# KiCad board backplane.20-slot.kicad_pcb (continued)
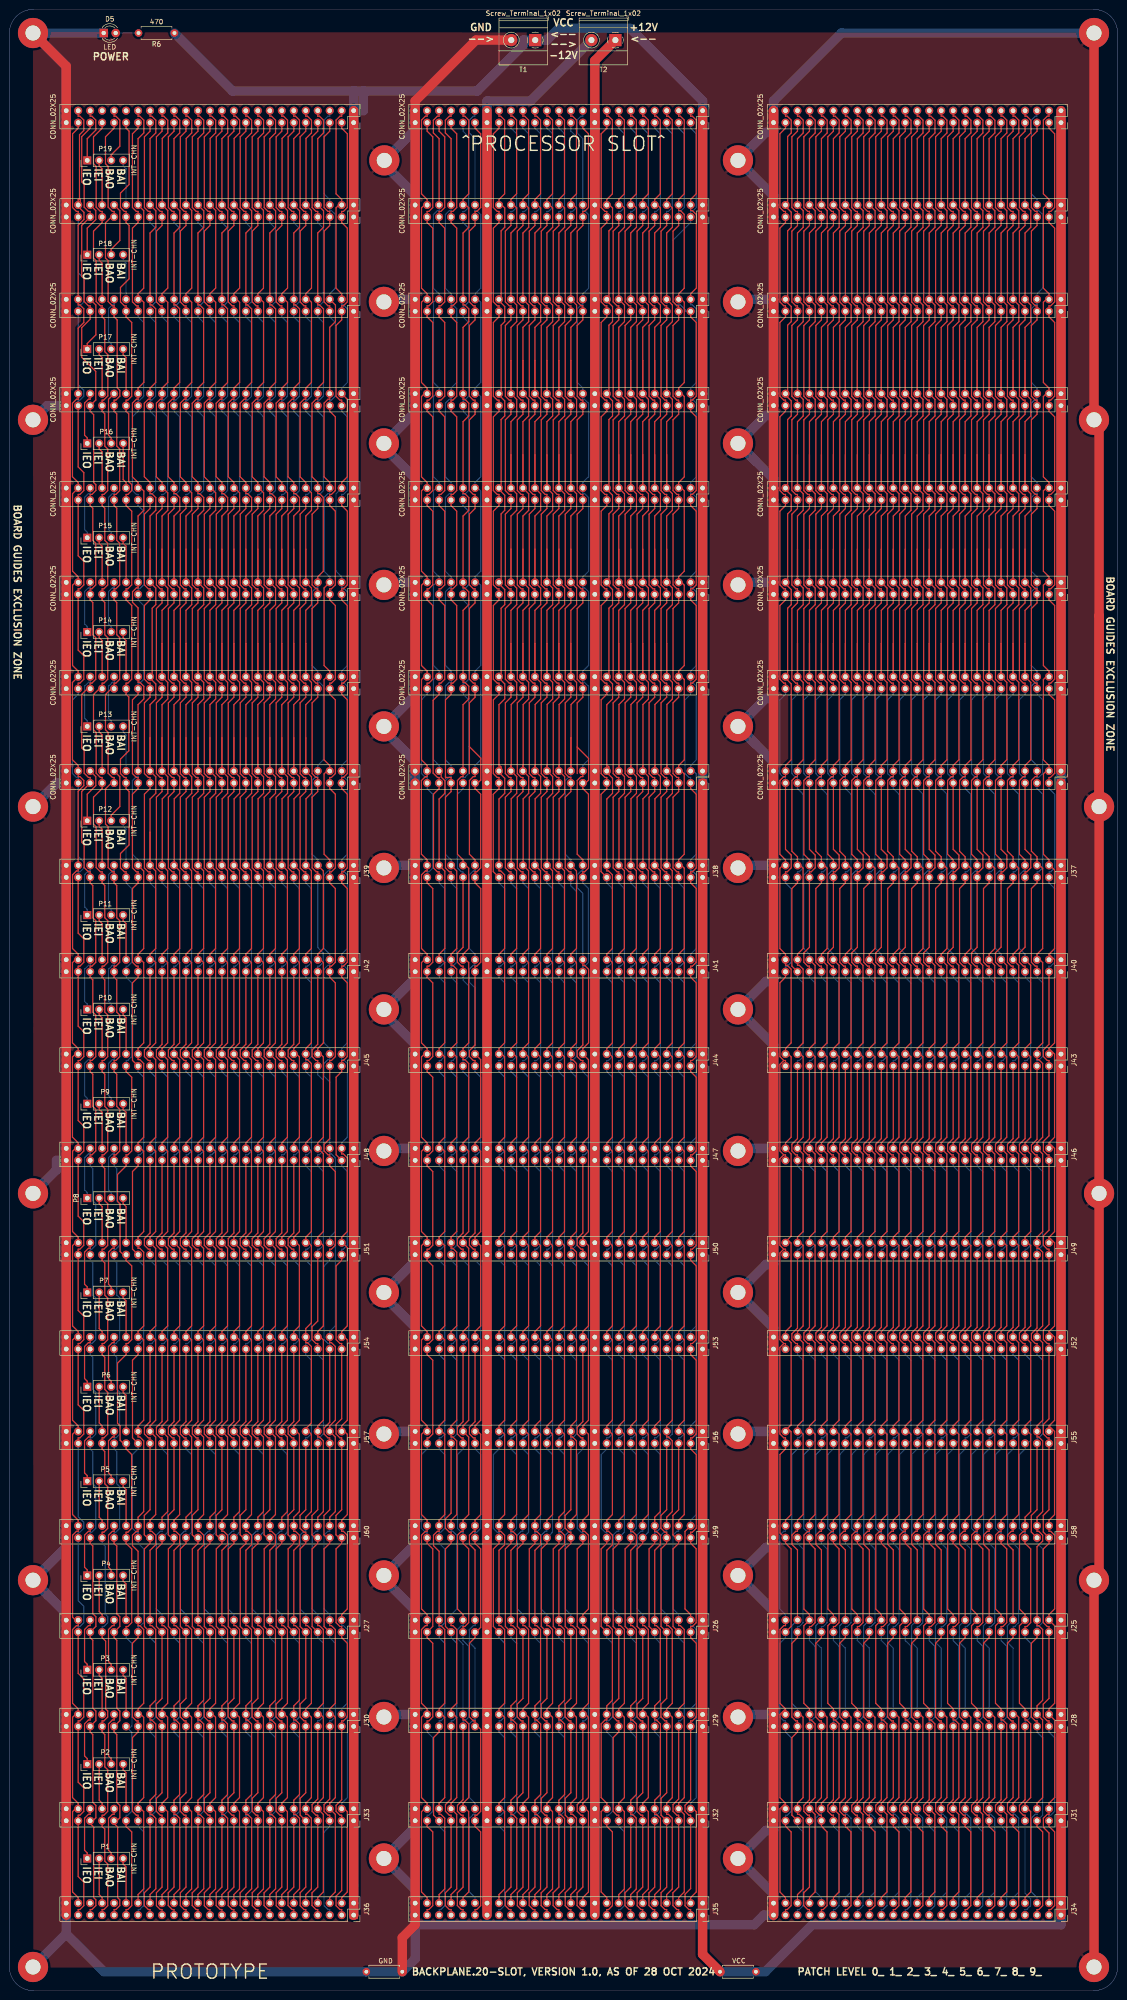
[diagram p0: board, top side]
## Nets (continued)
/D23: J3.20 J6.20 J9.20 J12.20 J15.20 J18.20 J21.20 J24.20 J25.20 J28.20 J31.20 J34.20 J37.20 J40.20 J43.20 J46.20 J49.20 J52.20 J55.20 J58.20
/D24: J3.18 J6.18 J9.18 J12.18 J15.18 J18.18 J21.18 J24.18 J25.18 J28.18 J31.18 J34.18 J37.18 J40.18 J43.18 J46.18 J49.18 J52.18 J55.18 J58.18
/D25: J3.16 J6.16 J9.16 J12.16 J15.16 J18.16 J21.16 J24.16 J25.16 J28.16 J31.16 J34.16 J37.16 J40.16 J43.16 J46.16 J49.16 J52.16 J55.16 J58.16
/D26: J3.14 J6.14 J9.14 J12.14 J15.14 J18.14 J21.14 J24.14 J25.14 J28.14 J31.14 J34.14 J37.14 J40.14 J43.14 J46.14 J49.14 J52.14 J55.14 J58.14
/D27: J3.12 J6.12 J9.12 J12.12 J15.12 J18.12 J21.12 J24.12 J25.12 J28.12 J31.12 J34.12 J37.12 J40.12 J43.12 J46.12 J49.12 J52.12 J55.12 J58.12
/D28: J3.10 J6.10 J9.10 J12.10 J15.10 J18.10 J21.10 J24.10 J25.10 J28.10 J31.10 J34.10 J37.10 J40.10 J43.10 J46.10 J49.10 J52.10 J55.10 J58.10
/D29: J3.8 J6.8 J9.8 J12.8 J15.8 J18.8 J21.8 J24.8 J25.8 J28.8 J31.8 J34.8 J37.8 J40.8 J43.8 J46.8 J49.8 J52.8 J55.8 J58.8
/D30: J3.6 J6.6 J9.6 J12.6 J15.6 J18.6 J21.6 J24.6 J25.6 J28.6 J31.6 J34.6 J37.6 J40.6 J43.6 J46.6 J49.6 J52.6 J55.6 J58.6
/D31: J3.4 J6.4 J9.4 J12.4 J15.4 J18.4 J21.4 J24.4 J25.4 J28.4 J31.4 J34.4 J37.4 J40.4 J43.4 J46.4 J49.4 J52.4 J55.4 J58.4
/E: J1.4 J4.4 J7.4 J10.4 J13.4 J16.4 J19.4 J22.4 J27.4 J30.4 J33.4 J36.4 J39.4 J42.4 J45.4 J48.4 J51.4 J54.4 J57.4 J60.4
/I2C_SCL: J1.47 J4.47 J7.47 J10.47 J13.47 J16.47 J19.47 J22.47 J27.47 J30.47 J33.47 J36.47 J39.47 J42.47 J45.47 J48.47 J51.47 J54.47 J57.47 J60.47
/I2C_SDA: J1.48 J4.48 J7.48 J10.48 J13.48 J16.48 J19.48 J22.48 J27.48 J30.48 J33.48 J36.48 J39.48 J42.48 J45.48 J48.48 J51.48 J54.48 J57.48 J60.48
/IC0: J2.45 J5.45 J8.45 J11.45 J14.45 J17.45 J20.45 J23.45 J26.45 J29.45 J32.45 J35.45 J38.45 J41.45 J44.45 J47.45 J50.45 J53.45 J56.45 J59.45
/IC1: J2.43 J5.43 J8.43 J11.43 J14.43 J17.43 J20.43 J23.43 J26.43 J29.43 J32.43 J35.43 J38.43 J41.43 J44.43 J47.43 J50.43 J53.43 J56.43 J59.43
/IC2: J2.41 J5.41 J8.41 J11.41 J14.41 J17.41 J20.41 J23.41 J26.41 J29.41 J32.41 J35.41 J38.41 J41.41 J44.41 J47.41 J50.41 J53.41 J56.41 J59.41
/IC3: J2.39 J5.39 J8.39 J11.39 J14.39 J17.39 J20.39 J23.39 J26.39 J29.39 J32.39 J35.39 J38.39 J41.39 J44.39 J47.39 J50.39 J53.39 J56.39 J59.39
/IPL0: J3.47 J6.47 J9.47 J12.47 J15.47 J18.47 J21.47 J24.47 J25.47 J28.47 J31.47 J34.47 J37.47 J40.47 J43.47 J46.47 J49.47 J52.47 J55.47 J58.47
/IPL1: J3.45 J6.45 J9.45 J12.45 J15.45 J18.45 J21.45 J24.45 J25.45 J28.45 J31.45 J34.45 J37.45 J40.45 J43.45 J46.45 J49.45 J52.45 J55.45 J58.45
/IPL2: J3.43 J6.43 J9.43 J12.43 J15.43 J18.43 J21.43 J24.43 J25.43 J28.43 J31.43 J34.43 J37.43 J40.43 J43.43 J46.43 J49.43 J52.43 J55.43 J58.43
/LDS: J3.38 J6.38 J9.38 J12.38 J15.38 J18.38 J21.38 J24.38 J25.38 J28.38 J31.38 J34.38 J37.38 J40.38 J43.38 J46.38 J49.38 J52.38 J55.38 J58.38
/PHI: J1.8 J4.8 J7.8 J10.8 J13.8 J16.8 J19.8 J22.8 J27.8 J30.8 J33.8 J36.8 J39.8 J42.8 J45.8 J48.8 J51.8 J54.8 J57.8 J60.8
/S0: J3.44 J6.44 J9.44 J12.44 J15.44 J18.44 J21.44 J24.44 J25.44 J28.44 J31.44 J34.44 J37.44 J40.44 J43.44 J46.44 J49.44 J52.44 J55.44 J58.44
/S1: J3.42 J6.42 J9.42 J12.42 J15.42 J18.42 J21.42 J24.42 J25.42 J28.42 J31.42 J34.42 J37.42 J40.42 J43.42 J46.42 J49.42 J52.42 J55.42 J58.42
/S2: J3.40 J6.40 J9.40 J12.40 J15.40 J18.40 J21.40 J24.40 J25.40 J28.40 J31.40 J34.40 J37.40 J40.40 J43.40 J46.40 J49.40 J52.40 J55.40 J58.40
/ST: J1.6 J4.6 J7.6 J10.6 J13.6 J16.6 J19.6 J22.6 J27.6 J30.6 J33.6 J36.6 J39.6 J42.6 J45.6 J48.6 J51.6 J54.6 J57.6 J60.6
/UDS: J3.36 J6.36 J9.36 J12.36 J15.36 J18.36 J21.36 J24.36 J25.36 J28.36 J31.36 J34.36 J37.36 J40.36 J43.36 J46.36 J49.36 J52.36 J55.36 J58.36
/USER0: J1.38 J4.38 J7.38 J10.38 J13.38 J16.38 J19.38 J22.38 J27.38 J30.38 J33.38 J36.38 J39.38 J42.38 J45.38 J48.38 J51.38 J54.38 J57.38 J60.38
/USER1: J1.36 J4.36 J7.36 J10.36 J13.36 J16.36 J19.36 J22.36 J27.36 J30.36 J33.36 J36.36 J39.36 J42.36 J45.36 J48.36 J51.36 J54.36 J57.36 J60.36
/USER2: J1.34 J4.34 J7.34 J10.34 J13.34 J16.34 J19.34 J22.34 J27.34 J30.34 J33.34 J36.34 J39.34 J42.34 J45.34 J48.34 J51.34 J54.34 J57.34 J60.34
/USER3: J1.32 J4.32 J7.32 J10.32 J13.32 J16.32 J19.32 J22.32 J27.32 J30.32 J33.32 J36.32 J39.32 J42.32 J45.32 J48.32 J51.32 J54.32 J57.32 J60.32
/USER4: J1.30 J4.30 J7.30 J10.30 J13.30 J16.30 J19.30 J22.30 J27.30 J30.30 J33.30 J36.30 J39.30 J42.30 J45.30 J48.30 J51.30 J54.30 J57.30 J60.30
/USER5: J1.28 J4.28 J7.28 J10.28 J13.28 J16.28 J19.28 J22.28 J27.28 J30.28 J33.28 J36.28 J39.28 J42.28 J45.28 J48.28 J51.28 J54.28 J57.28 J60.28
/USER6: J1.26 J4.26 J7.26 J10.26 J13.26 J16.26 J19.26 J22.26 J27.26 J30.26 J33.26 J36.26 J39.26 J42.26 J45.26 J48.26 J51.26 J54.26 J57.26 J60.26
/USER7: J1.24 J4.24 J7.24 J10.24 J13.24 J16.24 J19.24 J22.24 J27.24 J30.24 J33.24 J36.24 J39.24 J42.24 J45.24 J48.24 J51.24 J54.24 J57.24 J60.24
/USER8: J1.22 J4.22 J7.22 J10.22 J13.22 J16.22 J19.22 J22.22 J27.22 J30.22 J33.22 J36.22 J39.22 J42.22 J45.22 J48.22 J51.22 J54.22 J57.22 J60.22
/~{BAI-1}: J36.40 P1.4
/~{BAI-2}: J33.40 P2.4
/~{BAI-3}: J30.40 P3.4
/~{BAI-4}: J27.40 P4.4
/~{BAI-5}: J60.40 P5.4
/~{BAI-6}: J57.40 P6.4
/~{BAI-7}: J54.40 P7.4
/~{BAI-8}: J51.40 P8.4
/~{BAI-9}: J48.40 P9.4
/~{BAI-10}: J45.40 P10.4
/~{BAI-11}: J42.40 P11.4
/~{BAI-12}: J39.40 P12.4
/~{BAI-13}: J1.40 P13.4
/~{BAI-14}: J4.40 P14.4
/~{BAI-15}: J7.40 P15.4
/~{BAI-16}: J10.40 P16.4
/~{BAI-17}: J13.40 P17.4
/~{BAI-18}: J16.40 P18.4
/~{BAI-19}: J19.40 P19.4
/~{BAI-20}: J22.40
/~{BAO-1}: J36.42
/~{BAO-2}: J33.42 P1.3
/~{BAO-3}: J30.42 P2.3
/~{BAO-4}: J27.42 P3.3
/~{BAO-5}: J60.42 P4.3
/~{BAO-6}: J57.42 P5.3
/~{BAO-7}: J54.42 P6.3
/~{BAO-8}: J51.42 P7.3
/~{BAO-9}: J48.42 P8.3
/~{BAO-10}: J45.42 P9.3
/~{BAO-11}: J42.42 P10.3
/~{BAO-12}: J39.42 P11.3
/~{BAO-13}: J1.42 P12.3
/~{BAO-14}: J4.42 P13.3
/~{BAO-15}: J7.42 P14.3
/~{BAO-16}: J10.42 P15.3
/~{BAO-17}: J13.42 P16.3
/~{BAO-18}: J16.42 P17.3
/~{BAO-19}: J19.42 P18.3
/~{BAO-20}: J22.42 P19.3
/~{BHE}: J3.41 J6.41 J9.41 J12.41 J15.41 J18.41 J21.41 J24.41 J25.41 J28.41 J31.41 J34.41 J37.41 J40.41 J43.41 J46.41 J49.41 J52.41 J55.41 J58.41
/~{BUSACK}: J1.13 J4.13 J7.13 J10.13 J13.13 J16.13 J19.13 J22.13 J27.13 J30.13 J33.13 J36.13 J39.13 J42.13 J45.13 J48.13 J51.13 J54.13 J57.13 J60.13
/~{BUSERR}: J3.35 J6.35 J9.35 J12.35 J15.35 J18.35 J21.35 J24.35 J25.35 J28.35 J31.35 J34.35 J37.35 J40.35 J43.35 J46.35 J49.35 J52.35 J55.35 J58.35
/~{BUSRQ}: J1.23 J4.23 J7.23 J10.23 J13.23 J16.23 J19.23 J22.23 J27.23 J30.23 J33.23 J36.23 J39.23 J42.23 J45.23 J48.23 J51.23 J54.23 J57.23 J60.23
/~{DREQ0}: J2.46 J5.46 J8.46 J11.46 J14.46 J17.46 J20.46 J23.46 J26.46 J29.46 J32.46 J35.46 J38.46 J41.46 J44.46 J47.46 J50.46 J53.46 J56.46 J59.46
/~{DREQ1}: J2.42 J5.42 J8.42 J11.42 J14.42 J17.42 J20.42 J23.42 J26.42 J29.42 J32.42 J35.42 J38.42 J41.42 J44.42 J47.42 J50.42 J53.42 J56.42 J59.42
/~{EIRQ0}: J1.45 J4.45 J7.45 J10.45 J13.45 J16.45 J19.45 J22.45 J27.45 J30.45 J33.45 J36.45 J39.45 J42.45 J45.45 J48.45 J51.45 J54.45 J57.45 J60.45
/~{EIRQ1}: J1.43 J4.43 J7.43 J10.43 J13.43 J16.43 J19.43 J22.43 J27.43 J30.43 J33.43 J36.43 J39.43 J42.43 J45.43 J48.43 J51.43 J54.43 J57.43 J60.43
/~{EIRQ2}: J1.41 J4.41 J7.41 J10.41 J13.41 J16.41 J19.41 J22.41 J27.41 J30.41 J33.41 J36.41 J39.41 J42.41 J45.41 J48.41 J51.41 J54.41 J57.41 J60.41
/~{EIRQ3}: J1.39 J4.39 J7.39 J10.39 J13.39 J16.39 J19.39 J22.39 J27.39 J30.39 J33.39 J36.39 J39.39 J42.39 J45.39 J48.39 J51.39 J54.39 J57.39 J60.39
/~{EIRQ4}: J1.37 J4.37 J7.37 J10.37 J13.37 J16.37 J19.37 J22.37 J27.37 J30.37 J33.37 J36.37 J39.37 J42.37 J45.37 J48.37 J51.37 J54.37 J57.37 J60.37
/~{EIRQ5}: J1.35 J4.35 J7.35 J10.35 J13.35 J16.35 J19.35 J22.35 J27.35 J30.35 J33.35 J36.35 J39.35 J42.35 J45.35 J48.35 J51.35 J54.35 J57.35 J60.35
/~{EIRQ6}: J1.33 J4.33 J7.33 J10.33 J13.33 J16.33 J19.33 J22.33 J27.33 J30.33 J33.33 J36.33 J39.33 J42.33 J45.33 J48.33 J51.33 J54.33 J57.33 J60.33
/~{EIRQ7}: J1.31 J4.31 J7.31 J10.31 J13.31 J16.31 J19.31 J22.31 J27.31 J30.31 J33.31 J36.31 J39.31 J42.31 J45.31 J48.31 J51.31 J54.31 J57.31 J60.31
/~{HALT}: J1.27 J4.27 J7.27 J10.27 J13.27 J16.27 J19.27 J22.27 J27.27 J30.27 J33.27 J36.27 J39.27 J42.27 J45.27 J48.27 J51.27 J54.27 J57.27 J60.27
/~{IEI-1}: J36.44 P1.2
/~{IEI-2}: J33.44 P2.2
/~{IEI-3}: J30.44 P3.2
/~{IEI-4}: J27.44 P4.2
/~{IEI-5}: J60.44 P5.2
/~{IEI-6}: J57.44 P6.2
/~{IEI-7}: J54.44 P7.2
/~{IEI-8}: J51.44 P8.2
/~{IEI-9}: J48.44 P9.2
/~{IEI-10}: J45.44 P10.2
/~{IEI-11}: J42.44 P11.2
/~{IEI-12}: J39.44 P12.2
/~{IEI-13}: J1.44 P13.2
/~{IEI-14}: J4.44 P14.2
/~{IEI-15}: J7.44 P15.2
/~{IEI-16}: J10.44 P16.2
/~{IEI-17}: J13.44 P17.2
/~{IEI-18}: J16.44 P18.2
/~{IEI-19}: J19.44 P19.2
/~{IEI-20}: J22.44
/~{IEO-1}: J36.46
/~{IEO-2}: J33.46 P1.1
/~{IEO-3}: J30.46 P2.1
/~{IEO-4}: J27.46 P3.1
/~{IEO-5}: J60.46 P4.1
/~{IEO-6}: J57.46 P5.1
/~{IEO-7}: J54.46 P6.1
/~{IEO-8}: J51.46 P7.1
/~{IEO-9}: J48.46 P8.1
/~{IEO-10}: J45.46 P9.1
/~{IEO-11}: J42.46 P10.1
/~{IEO-12}: J39.46 P11.1
/~{IEO-13}: J1.46 P12.1
/~{IEO-14}: J4.46 P13.1
/~{IEO-15}: J7.46 P14.1
/~{IEO-16}: J10.46 P15.1
/~{IEO-17}: J13.46 P16.1
/~{IEO-18}: J16.46 P17.1
/~{IEO-19}: J19.46 P18.1
/~{IEO-20}: J22.46 P19.1
/~{INT0}: J1.17 J4.17 J7.17 J10.17 J13.17 J16.17 J19.17 J22.17 J27.17 J30.17 J33.17 J36.17 J39.17 J42.17 J45.17 J48.17 J51.17 J54.17 J57.17 J60.17
/~{INT1}: J1.12 J4.12 J7.12 J10.12 J13.12 J16.12 J19.12 J22.12 J27.12 J30.12 J33.12 J36.12 J39.12 J42.12 J45.12 J48.12 J51.12 J54.12 J57.12 J60.12
/~{INT2}: J1.10 J4.10 J7.10 J10.10 J13.10 J16.10 J19.10 J22.10 J27.10 J30.10 J33.10 J36.10 J39.10 J42.10 J45.10 J48.10 J51.10 J54.10 J57.10 J60.10
/~{IORQ}: J1.7 J4.7 J7.7 J10.7 J13.7 J16.7 J19.7 J22.7 J27.7 J30.7 J33.7 J36.7 J39.7 J42.7 J45.7 J48.7 J51.7 J54.7 J57.7 J60.7
/~{M1}: J1.11 J4.11 J7.11 J10.11 J13.11 J16.11 J19.11 J22.11 J27.11 J30.11 J33.11 J36.11 J39.11 J42.11 J45.11 J48.11 J51.11 J54.11 J57.11 J60.11
/~{MREQ}: J1.9 J4.9 J7.9 J10.9 J13.9 J16.9 J19.9 J22.9 J27.9 J30.9 J33.9 J36.9 J39.9 J42.9 J45.9 J48.9 J51.9 J54.9 J57.9 J60.9
/~{NMI}: J1.19 J4.19 J7.19 J10.19 J13.19 J16.19 J19.19 J22.19 J27.19 J30.19 J33.19 J36.19 J39.19 J42.19 J45.19 J48.19 J51.19 J54.19 J57.19 J60.19
/~{RD}: J1.3 J4.3 J7.3 J10.3 J13.3 J16.3 J19.3 J22.3 J27.3 J30.3 J33.3 J36.3 J39.3 J42.3 J45.3 J48.3 J51.3 J54.3 J57.3 J60.3
/~{RES_IN}: J1.20 J4.20 J7.20 J10.20 J13.20 J16.20 J19.20 J22.20 J27.20 J30.20 J33.20 J36.20 J39.20 J42.20 J45.20 J48.20 J51.20 J54.20 J57.20 J60.20
/~{RES_OUT}: J1.21 J4.21 J7.21 J10.21 J13.21 J16.21 J19.21 J22.21 J27.21 J30.21 J33.21 J36.21 J39.21 J42.21 J45.21 J48.21 J51.21 J54.21 J57.21 J60.21
/~{RFSH}: J1.29 J4.29 J7.29 J10.29 J13.29 J16.29 J19.29 J22.29 J27.29 J30.29 J33.29 J36.29 J39.29 J42.29 J45.29 J48.29 J51.29 J54.29 J57.29 J60.29
/~{TEND0}: J2.44 J5.44 J8.44 J11.44 J14.44 J17.44 J20.44 J23.44 J26.44 J29.44 J32.44 J35.44 J38.44 J41.44 J44.44 J47.44 J50.44 J53.44 J56.44 J59.44
/~{TEND1}: J2.40 J5.40 J8.40 J11.40 J14.40 J17.40 J20.40 J23.40 J26.40 J29.40 J32.40 J35.40 J38.40 J41.40 J44.40 J47.40 J50.40 J53.40 J56.40 J59.40
/~{VMA}: J3.39 J6.39 J9.39 J12.39 J15.39 J18.39 J21.39 J24.39 J25.39 J28.39 J31.39 J34.39 J37.39 J40.39 J43.39 J46.39 J49.39 J52.39 J55.39 J58.39
/~{VPA}: J3.37 J6.37 J9.37 J12.37 J15.37 J18.37 J21.37 J24.37 J25.37 J28.37 J31.37 J34.37 J37.37 J40.37 J43.37 J46.37 J49.37 J52.37 J55.37 J58.37
/~{WAIT}: J1.25 J4.25 J7.25 J10.25 J13.25 J16.25 J19.25 J22.25 J27.25 J30.25 J33.25 J36.25 J39.25 J42.25 J45.25 J48.25 J51.25 J54.25 J57.25 J60.25
/~{WR}: J1.5 J4.5 J7.5 J10.5 J13.5 J16.5 J19.5 J22.5 J27.5 J30.5 J33.5 J36.5 J39.5 J42.5 J45.5 J48.5 J51.5 J54.5 J57.5 J60.5
Net-(D5-Pad2): D5.2 R6.2

## Routing (per net, layer and track width the routed paths; a pad name or vN(x,y) marks a point on that pad's centre or on a via; arc(x,y) is an arc through that point)
/+12V: length 844.2
  Top w2: J14.19 J14.20 ; J14.19 J11.20 J11.19 J8.20 J8.19 J5.20 J5.19 J2.20 J2.19 J38.20 J38.19 J41.20 J41.19 J44.20 J44.19 J47.20 J47.19 J50.20 J50.19 J53.20 J53.19 J56.20 J56.19 J59.20 J59.19 J26.20 J26.19 J29.20 J29.19 J32.20 J32.19 J35.20 J35.19 ; J14.19 J14.20 ; J14.20 J17.19 ; J20.20 J23.19 ; J20.20 J23.19 ; J20.20 J20.19 ; J20.20 J20.19 ; J23.19 J23.20 ; J23.19 J23.20 ; J17.19 J17.20 ; J17.19 J17.20 ; J17.20 J20.19 ; J23.20 124.14,409.14 T2.1
  Bottom w2: J23.20 J23.19 J20.20 J20.19 ; J17.19 J14.20 ; J17.19 J17.20 ; J17.19 J14.20 ; J14.20 J14.19 J11.20 J11.19 J8.20 J8.19 J5.20 J5.19 J2.20 124.14,16.15 ; J20.19 J17.20 ; J20.19 J17.20
/-12V: length 911.9
  Top w2: J17.38 J17.37 ; J17.38 J17.37 ; J17.38 J20.37 J20.38 J23.37 J23.38 ; J17.37 J14.38 ; J14.38 J14.37 ; J14.38 J14.37 ; J14.37 J11.38 ; J5.37 J2.38 J2.37 J38.38 J38.37 J41.38 J41.37 J44.38 J44.37 J47.38 J47.37 J50.38 J50.37 J53.38 J53.37 J56.38 J56.37 J59.38 J59.37 J26.38 J26.37 J29.38 J29.37 J32.38 J32.37 J35.38 J35.37 ; J5.37 J5.38 ; J5.37 J5.38 ; J11.37 J8.38 ; J11.37 J11.38 ; J11.37 J11.38 ; J8.38 J8.37 ; J8.38 J8.37 ; J5.38 J8.37
  Bottom w2: T2.2 110.51,400.59 101.28,400.59 J23.38 J23.37 J20.38 J20.37 ; J8.37 J5.38 ; J8.37 J5.38 ; J8.37 J8.38 ; J5.38 J5.37 ; J14.37 J11.38 ; J14.37 J11.38 ; J14.37 J14.38 ; J11.38 J11.37 ; J5.37 J2.38 ; J5.37 J2.38 ; J2.38 101.28,16.15 ; J11.37 J8.38 ; J11.37 J8.38 ; J17.37 J14.38 ; J17.37 J14.38 ; J17.37 J17.38 ; J20.37 J17.38 ; J20.37 J17.38
GND: length 3991.8
  Top w2: J52.49 J55.50 J55.49 J58.50 ; J52.49 J40.50 ; J52.49 J52.50 ; J40.50 J37.49 J37.50 J3.49 J3.50 J6.49 ; J40.50 J40.49 ; J34.50 J34.49 J58.50 ; J58.50 J58.49 ; R2.2 83.31,11.22 86.04,13.95 J35.49 J35.50 J41.50 ; J5.49 J2.50 ; J5.49 J5.50 ; J5.49 J5.50 ; J21.50 J21.49 ; J21.50 J24.49 ; J21.50 J21.49 ; J21.49 J18.50 ; J21.49 J18.50 ; J17.49 J14.50 ; J17.49 J14.50 ; J17.49 J17.50 ; J17.49 J17.50 ; J14.50 J14.49 J11.50 ; J18.50 J18.49 ; J18.50 J18.49 ; J15.49 J12.50 ; J15.49 J15.50 ; J15.49 J15.50 ; J12.50 J12.49 ; J12.50 J12.49 ; J23.49 J20.50 ; J23.49 J23.50 ; J23.49 J23.50 ; J20.50 J20.49 ; J20.50 J20.49 ; J43.50 J43.49 J46.50 J46.49 J49.50 J49.49 ; J20.49 J17.50 ; J20.49 J17.50 ; J32.49 J32.50 J29.49 J29.50 J26.49 J26.50 ; J18.49 J15.50 ; J18.49 J15.50 ; J24.49 J24.50 J24.49 ; J41.50 J38.49 J38.50 J2.49 ; J41.50 J41.49 ; J9.49 J6.50 ; J9.49 J9.50 ; J9.49 J6.50 ; J9.49 J9.50 ; J6.50 J6.49 ; J6.50 J6.49 ; J5.50 J8.49 ; J5.50 J8.49 ; J44.50 J44.49 J47.50 J47.49 J50.50 J50.49 ; J59.49 J59.50 J56.49 J56.50 J53.49 J53.50 ; 230.54,332.46 H3.1 ; 230.54,332.46 231.07,331.92 231.07,291.46 ; 230.54,332.46 H3.1 ; H3.1 H2.1 ; H16.1 H14.1 231.08,87 H35.1 H22.1 ; H16.1 231.08,291.46 ; H16.1 231.07,291.46 ; J8.49 J8.50 ; J8.49 J8.50 ; J8.50 J11.49 ; J8.50 J11.49 ; J23.50 86.04,400.59 98.95,413.5 T1.2 ; J31.49 J31.50 J28.49 J28.50 J25.49 J25.50 ; J9.50 J12.49 ; J9.50 J12.49 ; J11.49 J11.50 ; J11.49 J11.50 ; H1.1 12.04,407.96 J22.50 J22.49 J19.50 J19.49 J16.50 J16.49 J13.50 J13.49 J10.50 J10.49 J7.50 J7.49 J4.50 J4.49 J1.50 J1.49 J39.50 J39.49 J42.50 J42.49 J45.50 J45.49 J48.50 J48.49 J51.50 J51.49 J54.50 J54.49 J57.50 J57.49 J60.50 J27.50 J27.49 J30.50 J30.49 J33.50 J33.49 J36.50 J36.49
  Bottom w2: J23.49 86.04,393.95 ; J23.49 J23.50 ; J23.49 86.04,393.95 ; 86.04,393.95 85.45,393.95 H5.1 79.5,387.13 86.04,380.59 ; 86.04,393.95 86.04,380.59 ; 86.04,320.59 J11.50 ; 86.04,320.59 86.04,333.95 ; 86.04,320.59 79.41,327.22 79.41,327.61 ; 86.04,320.59 J11.50 ; J11.50 J11.49 J8.50 ; J44.50 86.04,200.59 79.41,207.22 H29.1 85.36,213.95 86.04,213.95 J41.49 ; J60.49 12.04,93.95 ; J60.49 12.04,93.95 ; J60.49 J60.50 J57.49 J57.50 J54.49 J54.50 J51.49 J51.50 J48.49 ; 12.04,93.95 12.04,80.59 ; 12.04,93.95 11.95,93.95 H40.1 ; H30.1 79.95,238.54 J38.50 ; 12.04,80.59 J27.50 ; 12.04,80.59 11.41,80.59 8.21,83.8 ; 12.04,80.59 J27.50 ; J27.50 J27.49 J30.50 J30.49 J33.50 J33.49 J36.50 J36.49 12.04,12.04 ; 8.21,83.8 H40.1 ; 8.2,83.8 H40.1 ; J37.50 155.04,238.54 H24.1 ; 79.41,327.61 H18.1 ; 79.41,327.61 H18.1 ; J17.50 J17.49 J14.50 ; J17.50 J20.49 J20.50 ; J17.50 79.95,358.54 79.68,358.27 ; 158.21,264.3 161.91,260.59 162.04,260.59 ; 158.21,264.3 H15.1 ; 158.21,264.3 154.5,268 H15.1 ; J59.49 86.04,93.95 85.36,93.95 H25.1 79.41,87.22 86.04,80.59 J26.50 ; J2.50 J2.49 ; J2.50 86.04,260.59 ; J2.50 86.04,6.73 R2.2 R2.1 20.08,4 12.04,12.04 ; J2.50 86.04,260.59 ; 158.21,324.3 H7.1 ; 158.2,324.3 H7.1 ; 158.21,324.3 161.91,320.59 162.04,320.59 ; H7.1 160.45,333.95 162.04,333.95 ; H18.1 85.36,333.95 86.04,333.95 ; J8.50 79.95,298.54 H26.1 ; J8.50 J8.49 J5.50 J5.49 ; J13.49 J13.50 J16.49 J16.50 J19.49 J19.50 J22.49 J22.50 12.04,405 12.05,405.01 12.05,407.95 H1.1 D5.1 ; J13.49 J10.50 J10.49 J7.50 J7.49 J4.50 J4.49 J1.50 J1.49 ; J13.49 8,336 H4.1 ; J31.49 162.04,33.95 160.45,33.95 H37.1 161.91,20.59 162.04,20.59 J34.50 ; J9.50 J9.49 J6.50 J6.49 ; J9.50 155.04,298.54 H17.1 ; J9.50 J12.49 J12.50 ; H36.1 155.04,58.54 J28.50 ; H15.1 160.45,273.95 162.04,273.95 ; 162.04,380.59 161.91,380.59 H12.1 160.45,393.95 162.04,393.95 ; 162.04,380.59 J21.50 ; 162.04,380.59 J21.50 ; 162.04,380.59 162.04,393.95 ; J24.49 162.04,393.95 ; J24.49 162.04,393.95 ; J24.49 J24.50 162.04,400.59 176.45,415 H2.1 ; H6.1 155.04,358.54 J18.50 ; 86.04,333.95 J14.49 ; 86.04,333.95 J14.49 ; J14.49 J14.50 ; J14.49 J14.50 ; 79.68,358.27 79.68,358.27 H8.1 79.68,358.27 ; J40.49 162.04,213.95 160.45,213.95 H11.1 161.91,200.59 162.04,200.59 J43.50 ; J3.50 162.04,260.59 ; J3.50 J34.49 159.99,16 157.94,13.95 86.04,13.95 J35.49 ; J3.50 162.04,260.59 ; 162.04,260.59 162.04,273.95 ; J56.50 79.95,118.54 H31.1 ; J6.49 162.04,273.95 ; J6.49 162.04,273.95 ; 162.04,320.59 162.04,333.95 ; 162.04,320.59 J12.50 ; 162.04,320.59 J12.50 ; J55.50 155.04,118.54 H9.1 ; J21.50 J21.49 J18.50 ; J58.49 162.04,93.95 160.45,93.95 H23.1 161.91,80.59 162.04,80.59 J25.50 ; J48.49 9.99,176 9.99,173.99 H10.1 ; J48.49 J48.50 J45.49 J45.50 J42.49 J42.50 J39.49 J39.50 J1.49 ; 86.04,273.95 86.04,260.59 ; 86.04,273.95 J5.49 ; 86.04,273.95 85.36,273.95 H28.1 79.41,267.22 86.04,260.59 ; 86.04,273.95 J5.49 ; H20.1 155.04,178.54 J46.50 ; H32.1 79.95,178.54 J47.50 ; H38.1 79.95,58.54 J29.50 ; J52.50 162.04,140.59 161.91,140.59 H13.1 160.45,153.95 162.04,153.95 J49.49 ; J53.50 86.04,140.59 79.41,147.22 H27.1 85.36,153.95 86.04,153.95 J50.49 ; 162.04,333.95 J15.49 ; 162.04,333.95 J15.49 ; J35.50 86.04,21.37 H33.1 85.36,33.95 86.04,33.95 J32.49 ; J1.49 9.99,256 9.99,255.99 H19.1 ; J20.50 86.04,380.59 ; J20.50 86.04,380.59 ; J18.50 J18.49 J15.50 J15.49 ; H21.1 12.04,12.04
VCC: length 2609.6
  Top w2: 147,75.47 J29.2 J29.1 J32.2 J32.1 J35.2 J35.1 147,7.69 R1.1 ; 147,75.47 J59.2 ; 147,75.47 J26.1 J26.2 ; J36.1 J36.2 J33.1 J33.2 J30.1 J30.2 J27.1 J27.2 J60.1 J60.2 J57.1 J57.2 J54.1 J54.2 J51.1 J51.2 J48.1 J48.2 J45.1 J45.2 J42.1 J42.2 J39.1 J39.2 J1.1 J1.2 J4.1 J4.2 J7.1 J7.2 J10.1 J10.2 J13.1 J13.2 J16.1 J16.2 J19.1 J19.2 J22.1 J22.2 ; J2.1 J38.2 J38.1 J41.2 J41.1 J44.2 J44.1 J47.2 J47.1 J50.2 J50.1 J53.2 J53.1 J56.2 J56.1 J59.2 ; J59.2 J59.1 ; J34.1 J34.2 J31.1 J31.2 J28.1 J28.2 J25.1 J25.2 J58.1 J58.2 J55.1 J55.2 J52.1 J52.2 J49.1 J49.2 J46.1 J46.2 J43.1 J43.2 J40.1 J40.2 J37.1 J37.2 J3.1 ; J23.2 J23.1 J20.2 J20.1 J17.2 J17.1 J14.2 J14.1 J11.2 J11.1 J8.2 J8.1 J5.2 J5.1 J2.2 ; J24.2 J24.1 J21.2 J21.1 J18.2 J18.1 J15.2 J15.1 J12.2 J12.1 J9.2 J9.1 J6.2 J6.1 J3.2
  Bottom w2: J22.2 75.05,398.54 75.05,402.71 ; J36.1 J36.2 73,22.28 73.01,22.29 73.01,402.71 ; J24.2 J24.1 J21.2 J21.1 J18.2 J18.1 J15.2 J15.1 J12.2 ; J12.2 J34.1 223,13.95 170.26,13.95 160.31,4 R1.2 R1.1 ; J12.2 J12.1 J9.2 J9.1 J6.2 J6.1 J3.2 J3.1 ; 75.05,402.71 99.22,402.71 109,412.48 109,413.5 T1.1 114,413.5 116.5,416 131.59,416 147,400.59 J23.2 J23.1 J20.2 J20.1 J17.2 J17.1 J14.2 J14.1 J11.2 J11.1 J8.2 J8.1 J5.2 J5.1 J2.2 J2.1 147,16.15 ; 75.05,402.71 73.01,402.71 ; 73.01,402.71 47.29,402.71 R6.1 ; J26.2 J59.1
/A0: length 402.4
  Top w0.25: J26.35 102.62,77.2 102.62,93.63 103.82,94.82 J59.35 ; J38.35 102.61,237.21 102.61,253.61 103.82,254.82 J2.35 103.82,257.18 103.45,257.18 102.63,258 102.63,273.63 103.82,274.82 J5.35 103.82,277.18 103.46,277.18 102.63,278 102.63,293.63 103.82,294.82 J8.35 103.82,297.18 103.46,297.18 102.63,298 102.63,313.63 103.82,314.82 J11.35 103.82,317.18 103.46,317.18 102.63,318 102.63,333.63 103.82,334.82 J14.35 103.82,337.18 103.46,337.18 102.63,338 102.63,353.63 103.82,354.82 J17.35 103.82,357.18 103.46,357.18 102.63,358 102.63,373.63 103.82,374.82 J20.35 103.82,377.18 103.46,377.18 102.62,378 102.62,393.63 103.82,394.82 J23.35
  Bottom w0.25: J59.35 103.82,97.18 103.45,97.18 102.63,98 102.63,113.63 103.82,114.82 J56.35 103.82,117.18 104.19,117.18 105.01,118 105.01,133.63 103.82,134.82 J53.35 103.82,137.18 104.19,137.18 105.01,138 105.01,153.63 103.82,154.82 J50.35 103.82,157.18 104.19,157.18 105.01,158 105.01,173.63 103.82,174.82 J47.35 103.82,177.18 104.19,177.18 105.01,178 105.01,193.63 103.82,194.82 J44.35 103.82,197.18 104.19,197.18 105.01,198 105.01,213.63 103.82,214.82 J41.35 103.82,217.18 104.19,217.18 105.01,218 105.01,233.63 103.82,234.82 J38.35 ; J26.35 103.82,74.82 105.01,73.63 105.01,58 104.19,57.18 103.82,57.18 J29.35 103.82,54.82 105.01,53.63 105.01,38 104.19,37.18 103.82,37.18 J32.35 103.82,34.82 105.01,33.63 105.01,18 104.19,17.18 103.82,17.18 J35.35
/A1: length 402.6
  Top w0.25: J38.33 106.36,237.18 105.99,237.18 105.17,238 105.17,253 106.36,254.19 J2.33 106.36,257.18 105.99,257.18 105.17,258 105.17,273 106.36,274.19 J5.33 106.36,277.18 106,277.18 105.17,278 105.17,293 106.36,294.19 J8.33 106.36,297.18 106,297.18 105.17,298 105.17,313 106.36,314.19 J11.33 106.36,317.18 106,317.18 105.17,318 105.17,333 106.36,334.19 J14.33 106.36,337.18 106,337.18 105.17,338 105.17,353 106.36,354.19 J17.33 106.36,357.18 106,357.18 105.17,358 105.17,373 106.36,374.19 J20.33 ; J32.33 106.36,21.94 105.14,20.72 105.14,18.03 105.99,17.18 106.36,17.18 J35.33 ; J26.33 105.17,77.19 105.17,93.63 106.36,94.82 J59.33
  Bottom w0.25: J20.33 106.36,377.18 106.72,377.18 107.55,378 107.55,393.63 106.36,394.82 J23.33 ; J38.33 106.36,234.82 107.55,233.63 107.55,218 106.73,217.18 106.36,217.18 J41.33 106.36,214.82 107.55,213.63 107.55,198 106.73,197.18 106.36,197.18 J44.33 106.36,194.82 107.55,193.63 107.55,178 106.73,177.18 106.36,177.18 J47.33 106.36,174.82 107.55,173.63 107.55,158 106.73,157.18 106.36,157.18 J50.33 106.36,154.82 107.55,153.63 107.55,138 106.73,137.18 106.36,137.18 J53.33 106.36,134.82 107.55,133.63 107.55,118 106.73,117.18 106.36,117.18 J56.33 106.36,114.82 107.54,113.65 107.54,97.99 106.73,97.18 106.36,97.18 J59.33 ; J32.33 106.36,37.18 106.73,37.18 107.55,38 107.55,53.63 106.36,54.82 J29.33 106.36,57.18 106.73,57.18 107.55,58 107.55,73.63 106.36,74.82 J26.33
/A2: length 402.4
  Top w0.25: J20.31 108.9,374.19 107.71,373 107.71,358 108.53,357.18 108.9,357.18 J17.31 108.9,354.19 107.71,353 107.71,338 108.53,337.18 108.9,337.18 J14.31 108.9,334.19 107.71,333 107.71,318 108.53,317.18 108.9,317.18 J11.31 108.9,314.19 107.71,313 107.71,298 108.53,297.18 108.9,297.18 J8.31 108.9,294.19 107.71,293 107.71,278 108.53,277.18 108.9,277.18 J5.31 108.9,274.19 107.71,273 107.71,258 108.53,257.18 108.9,257.18 J2.31 108.9,254.19 107.71,253 107.71,238 108.53,237.18 108.9,237.18 J38.31 ; J35.31 108.9,17.18 108.53,17.18 107.71,17.99 107.71,20.75 108.9,21.94 J32.31 108.9,37.18 108.53,37.18 107.71,38 107.71,40.74 108.9,41.94 J29.31 108.9,57.18 108.53,57.18 107.69,58.02 107.69,60.72 108.9,61.94 J26.31 107.71,77.19 107.71,93.63 108.9,94.82 J59.31
  Bottom w0.25: J23.31 108.9,394.82 110.09,393.63 110.09,378 109.27,377.18 108.9,377.18 J20.31 ; J59.31 110.09,97.19 110.09,113.64 108.9,114.82 J56.31 108.9,117.18 109.27,117.18 110.09,118 110.09,133.63 108.9,134.82 J53.31 108.9,137.18 109.27,137.18 110.09,138 110.09,153.63 108.9,154.82 J50.31 108.9,157.18 109.27,157.18 110.09,158 110.09,173.63 108.9,174.82 J47.31 108.9,177.18 109.27,177.18 110.09,178 110.09,193.63 108.9,194.82 J44.31 108.9,197.18 109.27,197.18 110.09,198 110.09,213.63 108.9,214.82 J41.31 108.9,217.18 109.27,217.18 110.09,218 110.09,233.63 108.9,234.82 J38.31
/A3: length 402.6
  Top w0.25: J20.29 111.44,374.19 110.25,373 110.25,358 111.08,357.18 111.44,357.18 J17.29 111.44,354.19 110.25,353 110.25,338 111.08,337.18 111.44,337.18 J14.29 111.44,334.19 110.25,333 110.25,318 111.08,317.18 111.44,317.18 J11.29 111.44,314.19 110.25,313 110.25,298 111.08,297.18 111.44,297.18 J8.29 111.44,294.19 110.25,293 110.25,278 111.08,277.18 111.44,277.18 J5.29 111.44,274.19 110.25,273 110.25,258 111.07,257.18 111.44,257.18 J2.29 111.44,254.19 110.25,253 110.25,238 111.07,237.18 111.44,237.18 J38.29 ; J26.29 110.25,77.19 110.25,93.63 111.44,94.82 J59.29 ; J35.29 111.44,17.18 111.07,17.18 110.22,18.03 110.22,20.72 111.44,21.94 J32.29
  Bottom w0.25: J26.29 111.44,74.82 112.63,73.63 112.63,58 111.81,57.18 111.44,57.18 J29.29 111.44,54.82 112.63,53.63 112.63,38 111.81,37.18 111.44,37.18 J32.29 ; J59.29 111.44,97.18 111.81,97.18 112.62,97.99 112.62,113.65 111.44,114.82 J56.29 111.44,117.18 111.81,117.18 112.63,118 112.63,133.63 111.44,134.82 J53.29 111.44,137.18 111.81,137.18 112.63,138 112.63,153.63 111.44,154.82 J50.29 111.44,157.18 111.81,157.18 112.63,158 112.63,173.63 111.44,174.82 J47.29 111.44,177.18 111.81,177.18 112.63,178 112.63,193.63 111.44,194.82 J44.29 111.44,197.18 111.81,197.18 112.63,198 112.63,213.63 111.44,214.82 J41.29 111.44,217.18 111.81,217.18 112.63,218 112.63,233.63 111.44,234.82 J38.29 ; J20.29 111.44,377.18 111.81,377.18 112.63,378 112.63,393.63 111.44,394.82 J23.29
/A4: length 402.4
  Top w0.25: J59.27 113.98,94.82 112.79,93.63 112.79,77.19 J26.27 113.98,61.94 112.77,60.72 112.77,58.02 113.61,57.18 113.98,57.18 J29.27 113.98,41.94 112.79,40.74 112.79,38 113.61,37.18 113.98,37.18 J32.27 113.98,21.94 112.76,20.72 112.76,18.03 113.61,17.18 113.98,17.18 J35.27 ; J38.27 113.98,237.18 113.61,237.18 112.79,238 112.79,253 113.98,254.19 J2.27 113.98,257.18 113.61,257.18 112.79,258 112.79,273 113.98,274.19 J5.27 113.98,277.18 113.62,277.18 112.79,278 112.79,293 113.98,294.19 J8.27 113.98,297.18 113.62,297.18 112.79,298 112.79,313 113.98,314.19 J11.27 113.98,317.18 113.62,317.18 112.79,318 112.79,333 113.98,334.19 J14.27 113.98,337.18 113.62,337.18 112.79,338 112.79,353 113.98,354.19 J17.27 113.98,357.18 113.62,357.18 112.79,358 112.79,373 113.98,374.19 J20.27
  Bottom w0.25: J20.27 113.98,377.18 114.34,377.18 115.17,378 115.17,393.63 113.98,394.82 J23.27 ; J38.27 113.98,234.82 115.17,233.63 115.17,218 114.35,217.18 113.98,217.18 J41.27 113.98,214.82 115.17,213.63 115.17,198 114.35,197.18 113.98,197.18 J44.27 113.98,194.82 115.17,193.63 115.17,178 114.35,177.18 113.98,177.18 J47.27 113.98,174.82 115.17,173.63 115.17,158 114.35,157.18 113.98,157.18 J50.27 113.98,154.82 115.17,153.63 115.17,138 114.35,137.18 113.98,137.18 J53.27 113.98,134.82 115.17,133.63 115.17,118 114.35,117.18 113.98,117.18 J56.27 113.98,114.82 115.17,113.64 115.17,97.19 J59.27
/A5: length 402.6
  Top w0.25: J26.25 115.33,77.19 115.33,93.63 116.52,94.82 J59.25 ; J32.25 116.52,21.94 115.3,20.72 115.3,18.03 116.15,17.18 116.52,17.18 J35.25 ; J38.25 116.52,237.18 116.15,237.18 115.33,238 115.33,253 116.52,254.19 J2.25 116.52,257.18 116.15,257.18 115.33,258 115.33,273 116.52,274.19 J5.25 116.52,277.18 116.16,277.18 115.33,278 115.33,293 116.52,294.19 J8.25 116.52,297.18 116.16,297.18 115.33,298 115.33,313 116.52,314.19 J11.25 116.52,317.18 116.16,317.18 115.33,318 115.33,333 116.52,334.19 J14.25 116.52,337.18 116.16,337.18 115.33,338 115.33,353 116.52,354.19 J17.25 116.52,357.18 116.16,357.18 115.33,358 115.33,373 116.52,374.19 J20.25
  Bottom w0.25: J20.25 116.52,377.18 116.89,377.18 117.71,378 117.71,393.63 116.52,394.82 J23.25 ; J38.25 116.52,234.82 117.71,233.63 117.71,218 116.89,217.18 116.52,217.18 J41.25 116.52,214.82 117.71,213.63 117.71,198 116.89,197.18 116.52,197.18 J44.25 116.52,194.82 117.71,193.63 117.71,178 116.89,177.18 116.52,177.18 J47.25 116.52,174.82 117.71,173.63 117.71,158 116.89,157.18 116.52,157.18 J50.25 116.52,154.82 117.71,153.63 117.71,138 116.89,137.18 116.52,137.18 J53.25 116.52,134.82 117.71,133.63 117.71,118 116.89,117.18 116.52,117.18 J56.25 116.52,114.82 117.7,113.65 117.7,97.99 116.89,97.18 116.52,97.18 J59.25 ; J26.25 116.52,74.82 117.71,73.63 117.71,58 116.89,57.18 116.52,57.18 J29.25 116.52,54.82 117.71,53.63 117.71,38 116.89,37.18 116.52,37.18 J32.25
/A6: length 402.4
  Top w0.25: J20.23 119.06,374.19 117.87,373 117.87,358 118.69,357.18 119.06,357.18 J17.23 119.06,354.19 117.87,353 117.87,338 118.69,337.18 119.06,337.18 J14.23 119.06,334.19 117.87,333 117.87,318 118.69,317.18 119.06,317.18 J11.23 119.06,314.19 117.87,313 117.87,298 118.69,297.18 119.06,297.18 J8.23 119.06,294.19 117.87,293 117.87,278 118.69,277.18 119.06,277.18 J5.23 119.06,274.19 117.87,273 117.87,258 118.69,257.18 119.06,257.18 J2.23 119.06,254.19 117.87,253 117.87,238 118.69,237.18 119.06,237.18 J38.23 ; J35.23 119.06,17.18 118.69,17.18 117.86,18.01 117.86,20.74 119.06,21.94 J32.23 117.87,37.19 117.87,40.74 119.06,41.94 J29.23 119.06,57.18 118.69,57.18 117.85,58.02 117.85,60.72 119.06,61.94 J26.23 117.87,77.19 117.87,93.63 119.06,94.82 J59.23 119.06,97.18 118.69,97.18 117.85,98.02 117.85,100.72 119.06,101.94 J56.23
  Bottom w0.25: J20.23 119.06,377.18 119.43,377.18 120.25,378 120.25,393 119.06,394.19 J23.23 ; J56.23 119.06,117.18 119.43,117.18 120.25,118 120.25,133.63 119.06,134.82 J53.23 119.06,137.18 119.43,137.18 120.25,138 120.25,153.63 119.06,154.82 J50.23 119.06,157.18 119.43,157.18 120.25,158 120.25,173.63 119.06,174.82 J47.23 119.06,177.18 119.43,177.18 120.25,178 120.25,193.63 119.06,194.82 J44.23 119.06,197.18 119.43,197.18 120.25,198 120.25,213.63 119.06,214.82 J41.23 119.06,217.18 119.43,217.18 120.25,218 120.25,233 119.06,234.19 J38.23
